# Altium PCB fastic-readout.PcbDoc (part 1 of 6) (continued)
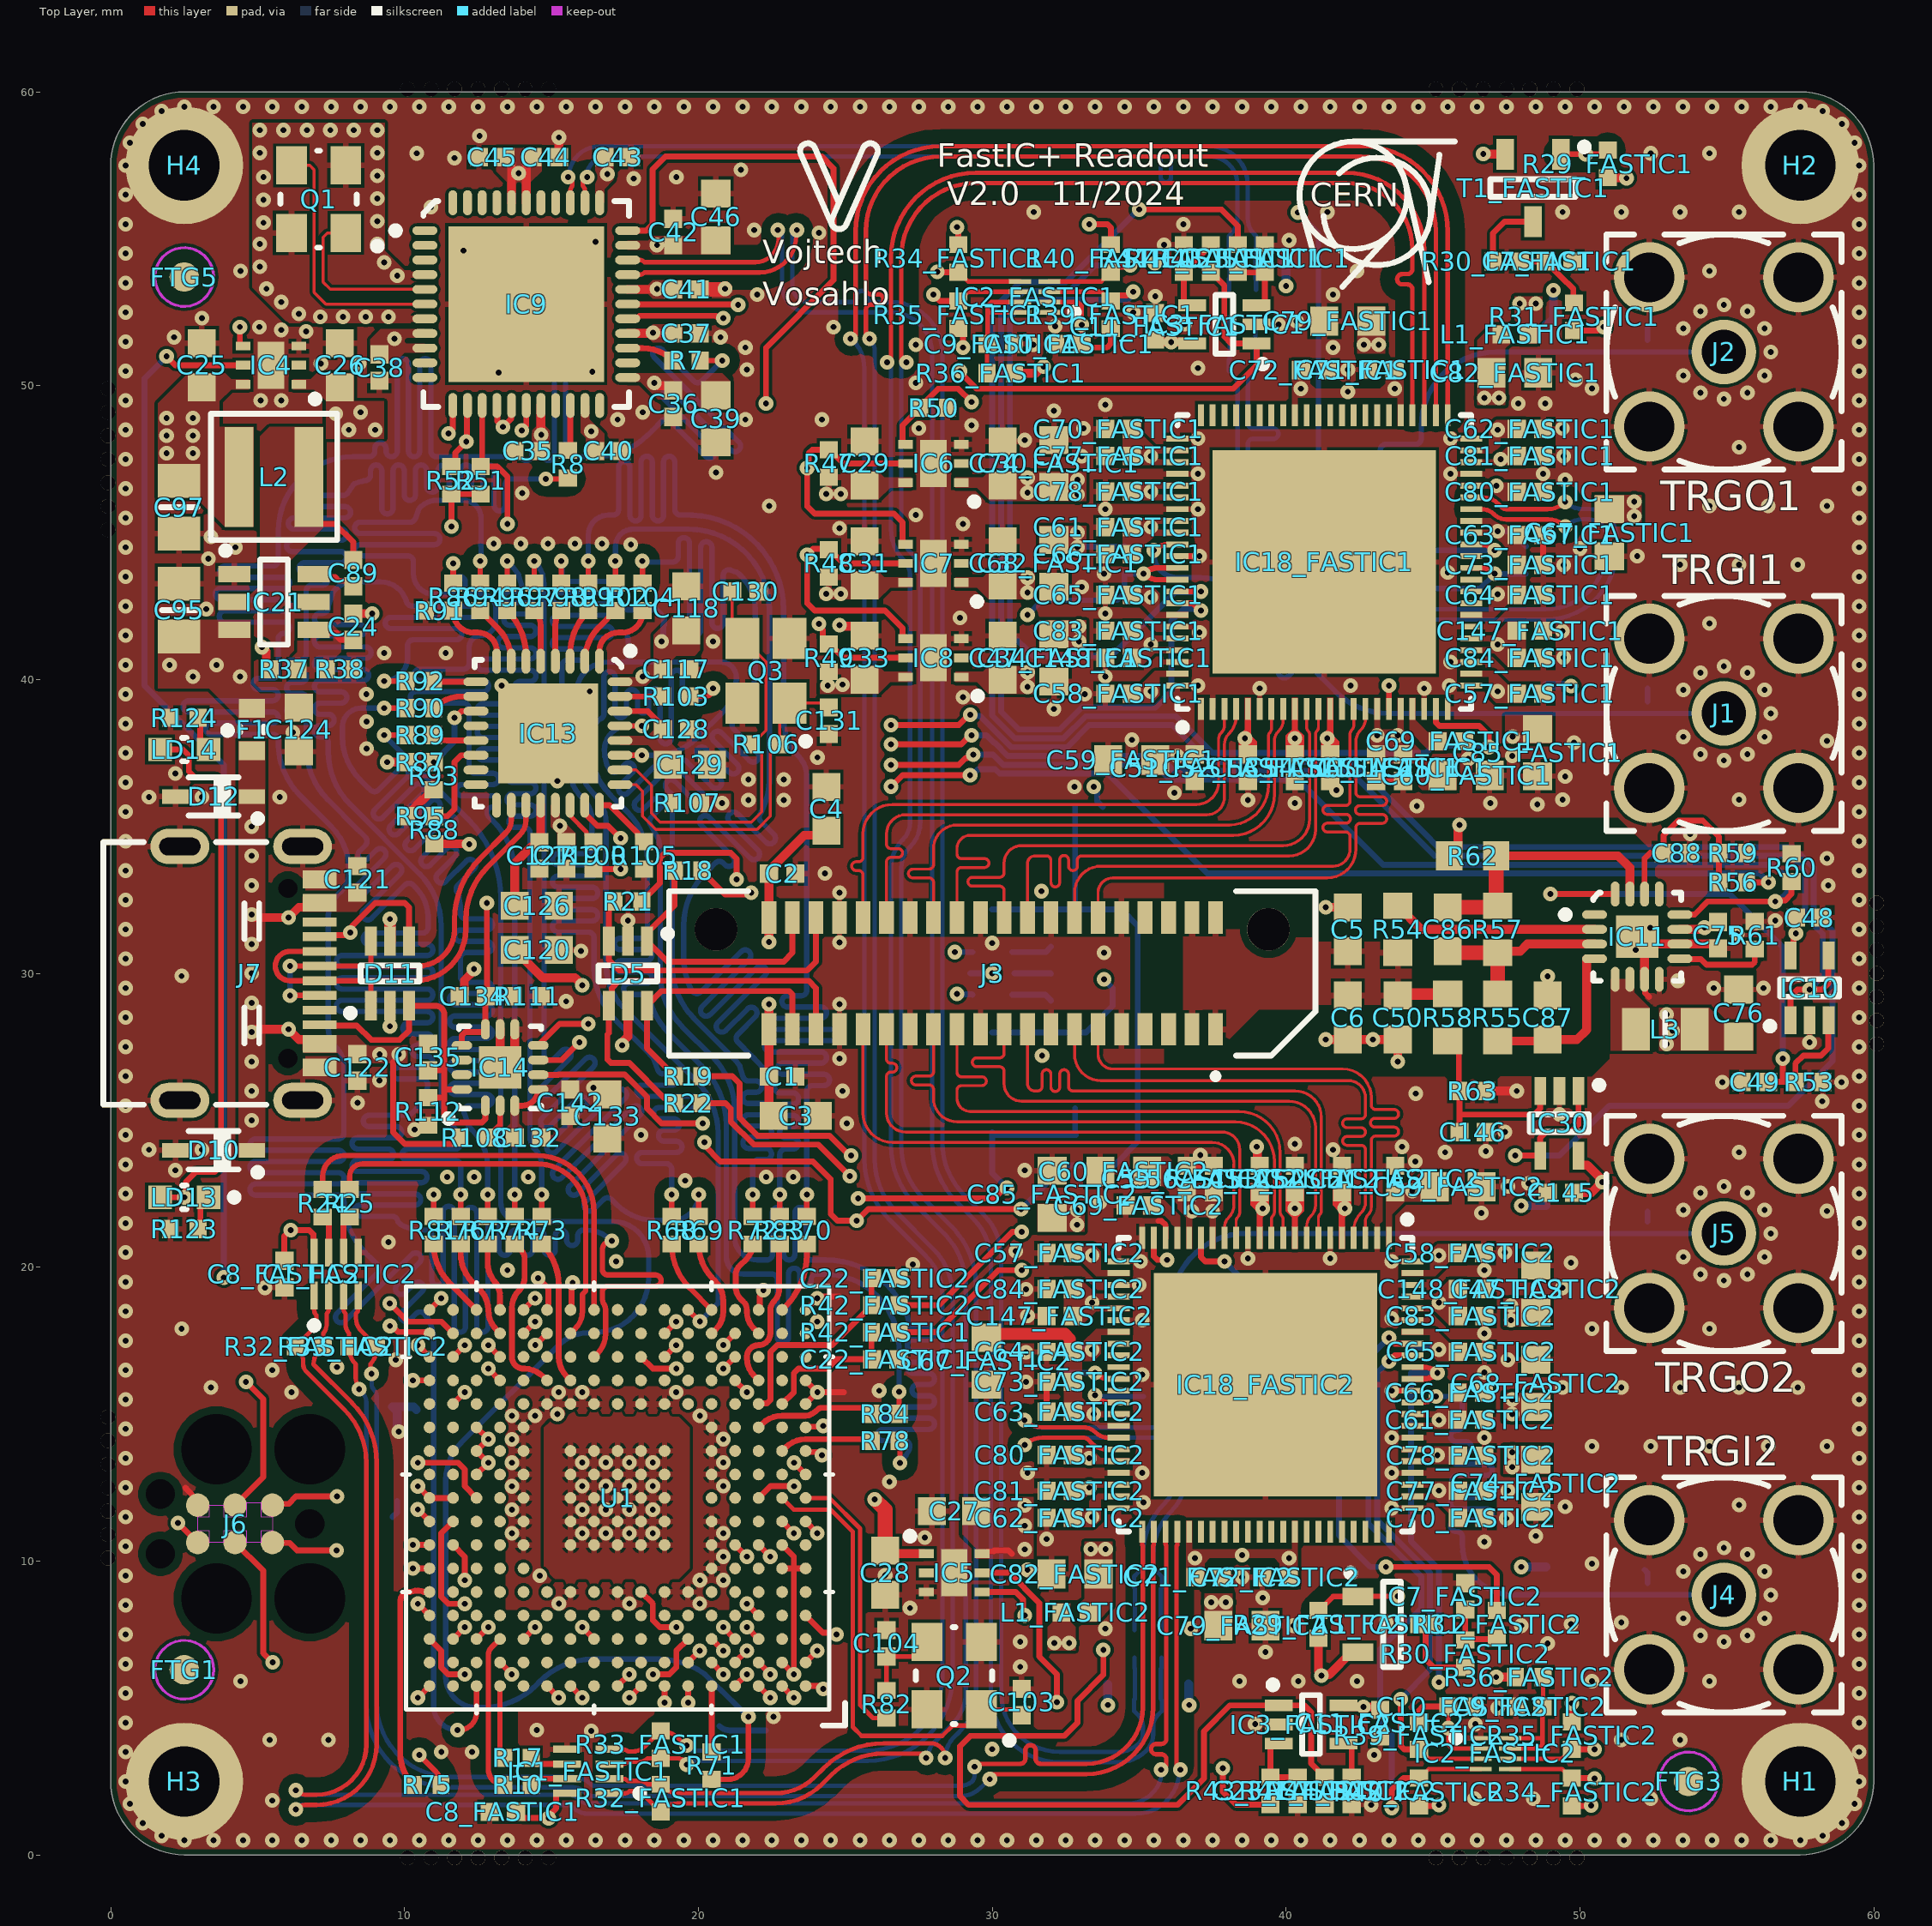
[diagram p0: Top Layer view]
## Classes and differential pairs (continued)
differential pair TDC_FASTIC1: +TDC_FASTIC1_P -TDC_FASTIC1_N
differential pair TIME_FASTIC2: +TIME_FASTIC2_P -TIME_FASTIC2_N
differential pair TIME_FASTIC1: +TIME_FASTIC1_P -TIME_FASTIC1_N
differential pair SLVS3: +SLVS3_P -SLVS3_N
differential pair SLVS2: +SLVS2_P -SLVS2_N
differential pair LVDS3: +LVDS3_P -LVDS3_N
differential pair LVDS2: +LVDS2_P -LVDS2_N
differential pair USB_D: +USB_D_P -USB_D_N

## Components (designator, comment, footprint, x,y, rotation, side; value= is the part's Value field where it differs from the comment)
C1 "100nF" CAPC1005X55N 22.85,26.49 r180 top
C2 "100nF" CAPC1005X55N 22.85,33.4 r180 top
C3 "2.2uF" CAPC1608X90N 23.315,25.15 r0 top
C4 "2.2uF" CAPC1608X90N 24.35,35.6 r90 top
C5 "100nF" CAPC1608X90N 42.1,31.5 r270 top
C6 "100nF" CAPC1608X90N 42.1,28.5 r90 top
C7_FASTIC1 "470pF" CAPC1005X55N 49.29,54.23 r180 top (schematic designator C7)
C7_FASTIC2 "470pF" CAPC1005X55N 46.1,8.796 r270 top (schematic designator C7)
C8_FASTIC1 "100nF" CAPC1005X55N 13.343,1.463 r180 top (schematic designator C8)
C8_FASTIC2 "100nF" CAPC1005X55N 5.909,19.768 r270 top (schematic designator C8)
C9_FASTIC1 "100nF" CAPC1005X55N 30.294,51.424 r0 top (schematic designator C9)
C9_FASTIC2 "100nF" CAPC1005X55N 48.275,5.05 r180 top (schematic designator C9)
C10_FASTIC1 "100nF" CAPC1005X55N 32.594,51.424 r180 top (schematic designator C10)
C10_FASTIC2 "100nF" CAPC1005X55N 45.975,5.05 r0 top (schematic designator C10)
C11_FASTIC1 "100nF" CAPC1005X55N 35.539,52.024 r270 top (schematic designator C11)
C11_FASTIC2 "100nF" CAPC1005X55N 43.2,4.488 r90 top (schematic designator C11)
C12 "100nF" CAPC1005X55N 18.628,9.248 r90 bottom
C13 "100nF" CAPC1005X55N 16.788,15.048 r270 bottom
C14 "100nF" CAPC1005X55N 19.902,13.988 r180 bottom
C15 "100nF" CAPC1005X55N 15.868,15.048 r270 bottom
C16 "100nF" CAPC1005X55N 17.708,15.048 r270 bottom
C17 "100nF" CAPC1005X55N 14.598,12.148 r0 bottom
C18 "4.7uF" CAPC1608X87N 16.848,16.848 r0 bottom
C19 "4.7uF" CAPC1608X87N 17.548,7.448 r180 bottom
C20 "4.7uF" CAPC1608X87N 12.448,11.748 r90 bottom
C21 "4.7uF" CAPC1608X87N 21.948,12.548 r270 bottom
C22_FASTIC1 "10nF" CAPC1005X55N 26.357,16.866 r180 top (schematic designator C22)
C22_FASTIC2 "10nF" CAPC1005X55N 26.357,19.626 r180 top (schematic designator C22)
C23_FASTIC1 "10nF" CAPC1005X55N 39.278,54.334 r270 top (schematic designator C23)
C23_FASTIC2 "10nF" CAPC1005X55N 40.39,2.178 r90 top (schematic designator C23)
C24 "100pF" CAPC1005X55N 8.25,41.8 r90 top
C25 "2.2uF" CAPC1608X90N 3.1,50.7 r270 top
C26 "2.2uF" CAPC1608X90N 7.8,50.7 r270 top
C27 "2.2uF" CAPC1608X90N 28.7,11.7 r0 top
C28 "2.2uF" CAPC1608X90N 26.355,9.6 r90 top
C29 "2.2uF" CAPC1608X90N 25.65,47.355 r270 top
C30 "2.2uF" CAPC1608X90N 30.35,47.355 r270 top
C31 "2.2uF" CAPC1608X90N 25.65,43.955 r270 top
C32 "2.2uF" CAPC1608X90N 30.35,43.955 r270 top
C33 "2.2uF" CAPC1608X90N 25.65,40.74 r270 top
C34 "2.2uF" CAPC1608X90N 30.35,40.74 r270 top
C35 "100nF" CAPC1005X55N 14.19,47.78 r0 top
C36 "100nF" CAPC1005X55N 19.14,49.39 r90 top
C37 "100nF" CAPC1005X55N 19.59,51.78 r180 top
C38 "100nF" CAPC1005X55N 9.14,50.62 r90 top
C39 "4.7uF" CAPC1608X87N 20.59,48.875 r270 top
C40 "100nF" CAPC1005X55N 16.93,47.78 r180 top
C41 "100nF" CAPC1005X55N 19.59,53.28 r180 top
C42 "100nF" CAPC1005X55N 19.14,55.23 r270 top
C43 "100nF" CAPC1005X55N 17.25,57.78 r180 top
C44 "100nF" CAPC1005X55N 14.8,57.78 r180 top
C45 "100nF" CAPC1005X55N 12.98,57.78 r0 top
C46 "4.7uF" CAPC1608X87N 20.59,55.745 r90 top
C47_FASTIC1 "4.7uF" CAPC1608X87N 32.1,40.74 r270 top (schematic designator C47)
C47_FASTIC2 "4.7uF" CAPC1608X87N 48.5,19.26 r90 top (schematic designator C47)
C48 "100nF" CAPC1005X55N 57.8,31.9 r180 top
C49 "100nF" CAPC1005X55N 55.953,26.307 r0 top
C50 "100nF" CAPC1608X90N 43.8,28.5 r90 top
C51_FASTIC1 "100nF" CAPC1005X55N 36.89,37 r270 top (schematic designator C51)
C51_FASTIC2 "100nF" CAPC1005X55N 43.71,23 r90 top (schematic designator C51)
C52_FASTIC1 "100nF" CAPC1005X55N 38.7,37 r270 top (schematic designator C52)
C52_FASTIC2 "100nF" CAPC1005X55N 41.9,23 r90 top (schematic designator C52)
C53_FASTIC1 "100nF" CAPC1005X55N 40.3,37 r270 top (schematic designator C53)
C53_FASTIC2 "100nF" CAPC1005X55N 40.3,23 r90 top (schematic designator C53)
C54_FASTIC1 "100nF" CAPC1005X55N 41.5,37 r270 top (schematic designator C54)
C54_FASTIC2 "100nF" CAPC1005X55N 39.1,23 r90 top (schematic designator C54)
C55_FASTIC1 "100nF" CAPC1005X55N 43.98,37 r270 top (schematic designator C55)
C55_FASTIC2 "100nF" CAPC1005X55N 36.62,23 r90 top (schematic designator C55)
C56_FASTIC1 "100nF" CAPC1005X55N 43.06,37 r270 top (schematic designator C56)
C56_FASTIC2 "100nF" CAPC1005X55N 37.54,23 r90 top (schematic designator C56)
C57_FASTIC1 "100nF" CAPC1005X55N 48.3,39.52 r0 top (schematic designator C57)
C57_FASTIC2 "100nF" CAPC1005X55N 32.3,20.48 r180 top (schematic designator C57)
C58_FASTIC1 "100nF" CAPC1005X55N 34.3,39.52 r180 top (schematic designator C58)
C58_FASTIC2 "100nF" CAPC1005X55N 46.28,20.48 r0 top (schematic designator C58)
C59_FASTIC1 "4.7uF" CAPC1608X87N 34.745,37.26 r180 top (schematic designator C59)
C59_FASTIC2 "4.7uF" CAPC1608X87N 45.855,22.74 r0 top (schematic designator C59)
C60_FASTIC1 "4.7uF" CAPC1608X87N 46.125,36.74 r0 top (schematic designator C60)
C60_FASTIC2 "4.7uF" CAPC1608X87N 34.475,23.26 r180 top (schematic designator C60)
C61_FASTIC1 "100nF" CAPC1005X55N 34.3,45.19 r180 top (schematic designator C61)
C61_FASTIC2 "100nF" CAPC1005X55N 46.28,14.81 r0 top (schematic designator C61)
C62_FASTIC1 "100nF" CAPC1005X55N 48.3,48.53 r0 top (schematic designator C62)
C62_FASTIC2 "100nF" CAPC1005X55N 32.3,11.47 r180 top (schematic designator C62)
C63_FASTIC1 "100nF" CAPC1005X55N 48.3,44.92 r0 top (schematic designator C63)
C63_FASTIC2 "100nF" CAPC1005X55N 32.3,15.08 r180 top (schematic designator C63)
C64_FASTIC1 "100nF" CAPC1005X55N 48.3,42.88 r0 top (schematic designator C64)
C64_FASTIC2 "100nF" CAPC1005X55N 32.3,17.12 r180 top (schematic designator C64)
C65_FASTIC1 "100nF" CAPC1005X55N 34.3,42.88 r180 top (schematic designator C65)
C65_FASTIC2 "100nF" CAPC1005X55N 46.3,17.12 r0 top (schematic designator C65)
C66_FASTIC1 "100nF" CAPC1005X55N 34.3,44.27 r180 top (schematic designator C66)
C66_FASTIC2 "100nF" CAPC1005X55N 46.28,15.73 r0 top (schematic designator C66)
C67_FASTIC1 "4.7uF" CAPC1608X87N 51,45 r270 top (schematic designator C67)
C67_FASTIC2 "4.7uF" CAPC1608X87N 29.8,16.8 r270 top (schematic designator C67)
C68_FASTIC1 "4.7uF" CAPC1608X87N 32.1,43.955 r270 top (schematic designator C68)
C68_FASTIC2 "4.7uF" CAPC1608X87N 48.5,16.045 r90 top (schematic designator C68)
C69_FASTIC1 "10nF" CAPC1005X55N 45.61,37.9 r0 top (schematic designator C69)
C69_FASTIC2 "10nF" CAPC1005X55N 34.99,22.1 r180 top (schematic designator C69)
C70_FASTIC1 "100nF" CAPC1005X55N 34.3,48.53 r180 top (schematic designator C70)
C70_FASTIC2 "100nF" CAPC1005X55N 46.3,11.47 r0 top (schematic designator C70)
C71_FASTIC1 "100nF" CAPC1005X55N 43.24,50.55 r180 top (schematic designator C71)
C71_FASTIC2 "100nF" CAPC1005X55N 37.36,9.45 r0 top (schematic designator C71)
C72_FASTIC1 "100nF" CAPC1005X55N 40.96,50.53 r0 top (schematic designator C72)
C72_FASTIC2 "100nF" CAPC1005X55N 39.64,9.45 r180 top (schematic designator C72)
C73_FASTIC1 "100nF" CAPC1005X55N 48.3,43.9 r0 top (schematic designator C73)
C73_FASTIC2 "100nF" CAPC1005X55N 32.3,16.1 r180 top (schematic designator C73)
C74_FASTIC1 "4.7uF" CAPC1608X87N 32.1,47.355 r90 top (schematic designator C74)
C74_FASTIC2 "4.7uF" CAPC1608X87N 48.5,12.645 r270 top (schematic designator C74)
C75 "100nF" CAPC1005X55N 54.7,31.3 r90 top
C76 "4.7uF" CAPC1608X87N 55.4,28.65 r90 top
C77_FASTIC1 "100nF" CAPC1005X55N 34.3,47.61 r180 top (schematic designator C77)
C77_FASTIC2 "100nF" CAPC1005X55N 46.3,12.39 r0 top (schematic designator C77)
C78_FASTIC1 "100nF" CAPC1005X55N 34.3,46.4 r180 top (schematic designator C78)
C78_FASTIC2 "100nF" CAPC1005X55N 46.3,13.59 r0 top (schematic designator C78)
C79_FASTIC1 "4.7uF" CAPC1608X87N 42.1,52.2 r180 top (schematic designator C79)
C79_FASTIC2 "4.7uF" CAPC1608X87N 38.5,7.8 r0 top (schematic designator C79)
C80_FASTIC1 "100nF" CAPC1005X55N 48.3,46.39 r0 top (schematic designator C80)
C80_FASTIC2 "100nF" CAPC1005X55N 32.3,13.61 r180 top (schematic designator C80)
C81_FASTIC1 "100nF" CAPC1005X55N 48.3,47.61 r0 top (schematic designator C81)
C81_FASTIC2 "100nF" CAPC1005X55N 32.3,12.39 r180 top (schematic designator C81)
C82_FASTIC1 "4.7uF" CAPC1608X87N 47.785,50.44 r0 top (schematic designator C82)
C82_FASTIC2 "4.7uF" CAPC1608X87N 32.815,9.56 r180 top (schematic designator C82)
C83_FASTIC1 "100nF" CAPC1005X55N 34.3,41.66 r180 top (schematic designator C83)
C83_FASTIC2 "100nF" CAPC1005X55N 46.3,18.34 r0 top (schematic designator C83)
C84_FASTIC1 "100nF" CAPC1005X55N 48.3,40.74 r0 top (schematic designator C84)
C84_FASTIC2 "100nF" CAPC1005X55N 32.3,19.26 r180 top (schematic designator C84)
C85_FASTIC1 "4.7uF" CAPC1608X87N 48.56,37.515 r270 top (schematic designator C85)
C85_FASTIC2 "4.7uF" CAPC1608X87N 32.04,22.485 r90 top (schematic designator C85)
C86 "10nF" CAPC1608X90N 45.5,31.5 r270 top
C87 "220nF" CAPC1608X90N 48.9,28.5 r270 top
C88 "100nF" CAPC1005X55N 53.3,34.1 r180 top
C89 "330nF" CAPC1005X55N 8.25,43.62 r90 top
C90 "100nF" CAPC1005X55N 13.138,6.954 r0 bottom
C92 "100nF" CAPC1005X55N 33.29,34.746 r0 bottom
C93 "100nF" CAPC1005X55N 33.29,24.497 r0 bottom
C94 "2.2uF" CAPC1608X90N 17.848,4.223 r0 bottom
C95 "10uF" CAPC2012X145N 2.325,42.365 r270 top
C96 "2.2uF" CAPC1608X90N 9.798,6.948 r90 bottom
C97 "22uF" CAPC2013X145N 2.325,45.865 r90 top
C99 "100nF" CAPC1005X55N 25.008,15.048 r90 bottom
C100 "2.2uF" CAPC1608X90N 25.172,17.458 r270 bottom
C101 "100nF" CAPC1005X55N 25.007,13.248 r270 bottom
C102 "2.2uF" CAPC1608X90N 25.172,10.838 r90 bottom
C103 "3.3pF" CAPC1005X55N 31,5.2 r270 top
C104 "3.3pF" CAPC1005X55N 26.4,7.2 r270 top
C105 "100nF" CAPC1005X55N 14.598,11.228 r0 bottom
C106 "100nF" CAPC1005X55N 14.598,10.308 r0 bottom
C107 "100nF" CAPC1005X55N 15.868,9.248 r90 bottom
C108 "100nF" CAPC1005X55N 19.902,13.068 r180 bottom
C109 "100nF" CAPC1005X55N 19.902,12.148 r180 bottom
C110 "100nF" CAPC1005X55N 16.788,9.248 r90 bottom
C111 "100nF" CAPC1005X55N 18.628,15.048 r270 bottom
C112 "100nF" CAPC1005X55N 17.708,9.248 r90 bottom
C113 "100nF" CAPC1005X55N 19.902,11.228 r180 bottom
C114 "100nF" CAPC1005X55N 19.902,10.308 r180 bottom
C115 "100nF" CAPC1005X55N 14.598,13.068 r0 bottom
C116 "100nF" CAPC1005X55N 14.598,13.988 r0 bottom
C117 "100nF" CAPC1005X55N 19.24,40.35 r180 top
C118 "2.2uF" CAPC1608X90N 19.58,42.425 r90 top
C119 "100nF" CAPC1005X55N 15.507,34.015 r90 top
C120 "2.2uF" CAPC1608X90N 14.5,30.8 r0 top
C121 "100nF" CAPC1005X55N 8.39,33.2 r270 top
C122 "100nF" CAPC1005X55N 8.39,26.8 r90 top
C124 "2.2uF" CAPC1608X90N 6.4,38.3 r90 top
C126 "2.2uF" CAPC1608X90N 14.5,32.3 r180 top
C127 "100nF" CAPC1005X55N 14.587,34.015 r90 top
C128 "100nF" CAPC1005X55N 19.24,38.31 r180 top
C129 "2.2uF" CAPC1608X90N 19.705,37.1 r180 top
C130 "3.3pF" CAPC1005X55N 21.6,43 r180 top
C131 "3.3pF" CAPC1005X55N 24.44,38.6 r90 top
C132 "100nF" CAPC1005X55N 14.2,24.415 r180 top
C133 "2.2uF" CAPC1608X90N 16.9,25.135 r270 top
C134 "220pF" CAPC1005X55N 12.322,29.224 r0 top
C135 "220pF" CAPC1005X55N 10.8,27.15 r270 top
C136 "2.2uF" CAPC1608X90N 16.658,20.072 r180 bottom
C137 "100nF" CAPC1005X55N 9.587,15.7 r270 bottom
C138 "100nF" CAPC1005X55N 9.588,11.048 r90 bottom
C139 "100nF" CAPC1005X55N 20.258,4.388 r0 bottom
C140 "100nF" CAPC1005X55N 14.248,19.907 r180 bottom
C141 "100nF" CAPC1005X55N 25.008,6.15 r270 bottom
C142 "100nF" CAPC1005X55N 15.635,25.6 r90 top
C145 "100nF" CAPC1005X55N 49.35,22.536 r0 top
C146 "100pF" CAPC1005X55N 46.35,24.6 r180 top
C147_FASTIC1 "10nF" CAPC1005X55N 48.3,41.66 r0 top (schematic designator C147)
C147_FASTIC2 "10nF" CAPC1005X55N 32.3,18.34 r180 top (schematic designator C147)
C148_FASTIC1 "10nF" CAPC1005X55N 34.3,40.74 r180 top (schematic designator C148)
C148_FASTIC2 "10nF" CAPC1005X55N 46.3,19.26 r0 top (schematic designator C148)
D1 "BAV99" SOT95P240X110-3N 50,38.85 r0 bottom
D2 "PESD1V2" SOD962-2 52.3,39.05 r270 bottom
D3 "BAV99" SOT95P240X110-3N 50,51.15 r0 bottom
D4 "PESD1V2" SOD962-2 52.3,51.35 r270 bottom
D5 "D3V3F4U6S" SOT65P220X110-6N 17.6,30 r270 top
D6 "BAV99" SOT95P240X110-3N 50,8.85 r0 bottom
D7 "PESD1V2" SOD962-2 52.3,9.05 r270 bottom
D8 "BAV99" SOT95P240X110-3N 50,21.15 r0 bottom
D9 "PESD1V2" SOD962-2 52.3,21.35 r270 bottom
D10 "PESD5V0S1UA" SOD2512X110N 3.5,23.98 r180 top
D11 "D3V3F4U6S" SOT65P220X110-6N 9.5,30 r90 top
D12 "PESD5V0S1UA" SOD2512X110N 3.5,36.02 r180 top
F1 "1.5A" FUSC_BOURNS_SF-0603F 4.8,38.3 r90 top
FTG1 "Use only in PCB" FIDUCIAL_TOP_C100-200 2.5,6.3 r90 top
FTG2 "Use only in PCB" FIDUCIAL_TOP_C100-200 2.5,6.3 r90 bottom
FTG3 "Use only in PCB" FIDUCIAL_TOP_C100-200 53.7,2.5 r90 top
FTG4 "Use only in PCB" FIDUCIAL_TOP_C100-200 53.7,2.5 r90 bottom
FTG5 "Use only in PCB" FIDUCIAL_TOP_C100-200 2.5,53.7 r90 top
FTG6 "Use only in PCB" FIDUCIAL_TOP_C100-200 2.5,53.7 r90 bottom
H1 "Plated Hole" MTG240_400 57.5,2.5 r0 top
H2 "Plated Hole" MTG240_400 57.5,57.5 r0 top
H3 "Plated Hole" MTG240_400 2.5,2.5 r0 top
H4 "Plated Hole" MTG240_400 2.5,57.5 r0 top
IC1_FASTIC1 "DS90LVRA2-Q1" DS90LVRA2-Q1 16.253,2.843 r180 top (schematic designator IC1)
IC1_FASTIC2 "DS90LVRA2-Q1" DS90LVRA2-Q1 7.669,19.768 r90 top (schematic designator IC1)
IC2_FASTIC1 "PCA9306DQER" SON35P100X140X40-8N 31.444,53.024 r180 top (schematic designator IC2)
IC2_FASTIC2 "PCA9306DQER" SON35P100X140X40-8N 47.125,3.45 r0 top (schematic designator IC2)
IC3_FASTIC1 "AD8541AKSZ-R2" SOT65P210X110-5N 37.898,52.087 r180 top (schematic designator IC3)
IC3_FASTIC2 "AD8541AKSZ-R2" SOT65P210X110-5N 40.85,4.438 r0 top (schematic designator IC3)
IC4 "TPS74618PQWDRVRQ1" TPS746 5.45,50.7 r180 top
IC5 "TPS74633PQWDRVRQ1" TPS746 28.705,9.6 r0 top
IC6 "TPS74612PQWDRVRQ1" TPS746 28,47.355 r180 top
IC7 "TPS74612PQWDRVRQ1" TPS746 28,43.955 r180 top
IC8 "TPS74612PQWDRVRQ1" TPS746 28,40.74 r180 top
IC9 "SI5340B-D-GM" QFN50P700X700X90-45N-S530 14.14,52.78 r0 top
IC10 "AD8541AKSZ-R2" SOT65P210X110-5N 57.817,29.508 r90 top
IC11 "LT3571" QFN50P300X300X80-17N-S145 51.95,31.25 r0 top
IC13 "USB3320C-EZK-TR" QFN50P500X500X100-33N-S340 14.88,38.175 r270 top
IC14 "FUSB302BMPX" QFN50P250X250X80-15N-S145 13.25,26.8 r90 top
IC18_FASTIC1 "FastIC+" QFN40P1000X1000X85-89N-S760 41.3,44 r90 top (schematic designator IC18)
IC18_FASTIC2 "FastIC+" QFN40P1000X1000X85-89N-S760 39.3,16 r270 top (schematic designator IC18)
IC21 "AP62201WU-7" SOT95P280X100-6N 5.555,42.64 r0 top
IC30 "AD8541AKSZ-R2" SOT65P210X110-5N 49.3,24.9 r270 top
J1 "SMA" AMPHENOL_132203 54.9,38.85 r0 top locked
J2 "SMA" AMPHENOL_132203 54.9,51.15 r0 top locked
J3 "ERM8-020-X-X-DV" SAMTEC_ERM8-020-X-X-DV 30,30 r180 top locked
J4 "SMA" AMPHENOL_132203 54.9,8.85 r0 top locked
J5 "SMA" AMPHENOL_132203 54.9,21.15 r0 top locked
J6 "TC2030-MCP" TC2030-MCP 4.23,11.265 r180 top
J7 "USB 2.0" GCT_USB4105-GF-A 4.44,30 r270 top locked
L1_FASTIC1 "220R@100MHz" INDC1005X55N 47.785,51.75 r0 top (schematic designator L1)
L1_FASTIC2 "220R@100MHz" INDC1005X55N 32.815,8.25 r180 top (schematic designator L1)
L2 "3.3uH" IND_COILCRAFT_XAL4030 5.555,46.9 r180 top
L3 "15uH" INDC2013X145N 52.9,28.1 r0 top
LD13 "Green" LED_KINGBRIGHT_KPH-1608CGCK 2.5,22.38 r180 top
LD14 "Green" LED_KINGBRIGHT_KPH-1608CGCK 2.5,37.62 r180 top
LD15 "Red/Green/Blue" LED_EVERLIGHT_EAST1616RGBA8 30,30 r180 bottom
PB1 "Push Button" PB_OMRON_B3U-1100P 29.989,33.876 r270 bottom
PB2 "Push Button" PB_OMRON_B3U-1100P 30,26.287 r270 bottom
Q1 "48MHz" XTAL_KYOCERA_CX3225SB 7.073,56.35 r180 top
Q2 "48MHz" XTAL_KYOCERA_CX3225SB 28.7,6.1 r180 top
Q3 "24MHz" XTAL_EPSON_TSX-3225 22.3,40.3 r180 top
R1 "220" RESC1005X40N#1 34.39,5.816 r180 bottom
R2 "220" RESC1005X40N#1 36.21,5.816 r0 bottom
R3 "50" RESC1005X40N#1 35.76,7.186 r90 bottom
R4 "50" RESC1005X40N#1 34.84,7.186 r90 bottom
R5 "20" RESC1005X40N#1 34.39,8.556 r0 bottom
R6 "20" RESC1005X40N#1 36.21,8.556 r180 bottom
R7 "22" RESC1005X40N#1 19.59,50.86 r0 top
R8 "22" RESC1005X40N#1 15.56,47.33 r270 top
R9 "50" RESC1005X40N#1 36.3,43.94 r270 bottom
R10 "22" RESC1005X40N#1 13.843,2.383 r180 top
R11 "220" RESC1005X40N#1 37.609,54.17 r180 bottom
R12 "220" RESC1005X40N#1 39.429,54.17 r0 bottom
R13 "50" RESC1005X40N#1 38.979,52.8 r270 bottom
R14 "50" RESC1005X40N#1 38.059,52.8 r270 bottom
R15 "20" RESC1005X40N#1 37.609,51.43 r0 bottom
R16 "20" RESC1005X40N#1 39.429,51.43 r180 bottom
R17 "22" RESC1005X40N#1 13.843,3.303 r180 top
R18 "220" RESC1005X40N#1 19.65,33.5 r180 top
R19 "220" RESC1005X40N#1 19.65,26.5 r0 top
R20 "22" RESC1005X40N#1 44.6,44.87 r90 bottom
R21 "220" RESC1005X40N#1 17.6,32.45 r180 top
R22 "220" RESC1005X40N#1 19.65,25.58 r0 top
R23 "50" RESC1005X40N#1 46,16.07 r270 bottom
R24 "22" RESC1005X40N#1 7.209,22.178 r90 top
R25 "22" RESC1005X40N#1 8.129,22.178 r90 top
R26 "22" RESC1005X40N#1 35.62,15.6 r0 bottom
R27_FASTIC1 "10k" RESC1005X40N#1 48.16,44.07 r90 bottom (schematic designator R27)
R27_FASTIC2 "10k" RESC1005X40N#1 32.3,16.87 r90 bottom (schematic designator R27)
R28_FASTIC1 "10k" RESC1005X40N#1 34.5,44.07 r90 bottom (schematic designator R28)
R28_FASTIC2 "10k" RESC1005X40N#1 44.25,16.87 r90 bottom (schematic designator R28)
R29_FASTIC1 "10k" RESC1005X40N#1 50.95,57.55 r270 top (schematic designator R29)
R29_FASTIC2 "10k" RESC1005X40N#1 41.1,7.846 r270 top (schematic designator R29)
R30_FASTIC1 "22" RESC1005X40N#1 47.51,54.23 r0 top (schematic designator R30)
R30_FASTIC2 "22" RESC1005X40N#1 46.1,6.846 r90 top (schematic designator R30)
R31_FASTIC1 "220" RESC1005X40N#1 49.8,52.35 r270 top (schematic designator R31)
R31_FASTIC2 "220" RESC1005X40N#1 47.175,7.846 r90 top (schematic designator R31)
R32_FASTIC1 "100" RESC1005X40N#1 18.713,1.933 r270 top (schematic designator R32)
R32_FASTIC2 "100" RESC1005X40N#1 6.759,17.308 r180 top (schematic designator R32)
R33_FASTIC1 "100" RESC1005X40N#1 18.713,3.753 r90 top (schematic designator R33)
R33_FASTIC2 "100" RESC1005X40N#1 8.579,17.308 r0 top (schematic designator R33)
R34_FASTIC1 "4k7" RESC1005X40N#1 28.844,54.334 r90 top (schematic designator R34)
R34_FASTIC2 "4k7" RESC1005X40N#1 49.725,2.14 r270 top (schematic designator R34)
R35_FASTIC1 "4k7" RESC1005X40N#1 28.844,52.416 r270 top (schematic designator R35)
R35_FASTIC2 "4k7" RESC1005X40N#1 49.725,4.06 r90 top (schematic designator R35)
R36_FASTIC1 "200k" RESC1005X40N#1 30.294,50.424 r0 top (schematic designator R36)
R36_FASTIC2 "200k" RESC1005X40N#1 48.275,6.05 r180 top (schematic designator R36)
R37 "31k6" RESC1005X35N 5.9,40.35 r180 top
R38 "10k" RESC1005X35N 7.8,40.35 r180 top
R39_FASTIC1 "4k7" RESC1005X40N#1 34.034,52.414 r270 top (schematic designator R39)
R39_FASTIC2 "4k7" RESC1005X40N#1 44.525,4.06 r90 top (schematic designator R39)
R40_FASTIC1 "4k7" RESC1005X40N#1 34.034,54.334 r90 top (schematic designator R40)
R40_FASTIC2 "4k7" RESC1005X40N#1 44.525,2.14 r270 top (schematic designator R40)
R41_FASTIC1 "10k" RESC1005X35N 37.438,54.334 r90 top (schematic designator R41)
R41_FASTIC2 "10k" RESC1005X35N 41.31,2.178 r270 top (schematic designator R41)
R42_FASTIC1 "4k7" RESC1005X40N#1 26.357,17.786 r180 top (schematic designator R42)
R42_FASTIC2 "4k7" RESC1005X40N#1 26.357,18.706 r180 top (schematic designator R42)
R43_FASTIC1 "4k7" RESC1005X40N#1 38.358,54.334 r270 top (schematic designator R43)
R43_FASTIC2 "4k7" RESC1005X40N#1 39.47,2.178 r90 top (schematic designator R43)
R44_FASTIC1 "20k" RESC1005X40N#1 36.518,54.334 r270 top (schematic designator R44)
R44_FASTIC2 "20k" RESC1005X40N#1 42.23,2.178 r90 top (schematic designator R44)
R47 "10k" RESC1005X40N#1 24.44,47.355 r270 top
R48 "10k" RESC1005X40N#1 24.44,43.955 r270 top
R49 "10k" RESC1005X40N#1 24.44,40.74 r270 top
R50 "10k" RESC1005X40N#1 28,49.25 r180 top
R51 "4k7" RESC1005X40N#1 12.59,46.78 r270 top
R52 "4k7" RESC1005X40N#1 11.59,46.78 r270 top
R53 "1k" RESC1005X40N#1 57.803,26.307 r180 top
R54 "100" RESC1608X55N 43.8,31.5 r270 top
R55 "20" RESC1608X55N 47.2,28.5 r270 top
R56 "12k" RESC1005X40N#1 55.2,33.1 r180 top
R57 "1M" RESC1608X55N 47.2,31.5 r270 top
R58 "1M" RESC1608X55N 45.5,28.5 r90 top
R59 "15k" RESC1005X40N#1 55.2,34.1 r180 top
R60 "10k" RESC1005X40N#1 57.2,33.6 r270 top
R61 "12k" RESC1005X40N#1 55.95,31.3 r270 top
R62 "12k" RESC1608X55N 46.35,34 r0 top
R63 "20k" RESC1005X40N#1 46.35,26 r180 top
R68 "22" RESC1005X40N#1 19.088,21.258 r270 top
R69 "22" RESC1005X40N#1 20.008,21.258 r270 top
R70 "22" RESC1005X40N#1 23.688,21.258 r90 top
R71 "22" RESC1005X40N#1 20.448,3.038 r90 top
R72 "22" RESC1005X40N#1 21.848,21.258 r90 top
R73 "22" RESC1005X40N#1 14.668,21.258 r270 top
R74 "22" RESC1005X40N#1 13.748,21.258 r270 top
R75 "22" RESC1005X40N#1 10.766,2.383 r0 top
R76 "22" RESC1005X40N#1 11.908,21.258 r270 top
R77 "22" RESC1005X40N#1 12.828,21.258 r270 top
R78 "22" RESC1005X40N#1 26.357,14.088 r0 top
R79 "10k" RESC1005X40N#1 33.29,35.666 r0 bottom
R80 "10k" RESC1005X40N#1 33.29,25.41 r180 bottom
R81 "22" RESC1005X40N#1 10.988,21.258 r90 top
R82 "220" RESC1005X40N#1 26.4,5.13 r270 top
R83 "22" RESC1005X40N#1 22.768,21.258 r90 top
R84 "22" RESC1005X40N#1 26.357,15.008 r0 top
R85 "10k" RESC1005X40N#1 17.577,41.906 r90 bottom
R86 "0" RESC1005X40N#2 11.654,42.816 r90 top
R87 "0" RESC1005X40N#2 10.52,37.19 r180 top
R88 "0" RESC1005X40N#2 11.01,34.88 r270 top
R89 "22" RESC1005X40N#1 10.52,38.11 r180 top
R90 "22" RESC1005X40N#1 10.52,39.03 r180 top
R91 "0" RESC1005X40N#2 11.184,42.346 r180 top
R92 "22" RESC1005X40N#1 10.52,39.95 r180 top
R93 "0" RESC1005X40N#2 10.99,36.72 r270 top
R94 "22" RESC1005X40N#1 12.574,42.816 r90 top
R95 "0" RESC1005X40N#2 10.54,35.35 r180 top
R96 "22" RESC1005X40N#1 13.494,42.816 r90 top
R97 "22" RESC1005X40N#1 14.414,42.816 r90 top
R98 "22" RESC1005X40N#1 15.334,42.816 r90 top
R99 "22" RESC1005X40N#1 16.254,42.816 r90 top
R100 "10k" RESC1005X40N#1 16.427,34.015 r90 top
R101 "100" RESC1005X40N#1 38.519,50.51 r180 bottom
R102 "22" RESC1005X40N#1 17.174,42.816 r90 top
R103 "22" RESC1005X40N#1 19.24,39.43 r0 top
R104 "22" RESC1005X40N#1 18.094,42.816 r90 top
R105 "8k06" RESC1005X40N#1 18.147,34.015 r270 top
R106 "1M" RESC1005X40N#1 22.3,37.8 r0 top
R107 "0" RESC1005X40N#1 19.61,35.8 r0 top
R108 "10k" RESC1005X40N#1 12.38,24.415 r180 top
R111 "5k1" RESC1005X40N#1 14.172,29.224 r180 top
R112 "5k1" RESC1005X40N#1 10.8,25.3 r90 top
R123 "220" RESC1005X40N#1 2.5,21.3 r0 top
R124 "220" RESC1005X40N#1 2.5,38.7 r0 top
R125 "100" RESC1005X40N#1 32.47,30.907 r180 bottom
R126 "220" RESC1005X40N#1 32.47,29.987 r180 bottom
R127 "100" RESC1005X40N#1 32.47,29.067 r180 bottom
R128 "100" RESC1005X40N#1 35.3,9.476 r180 bottom
R129 "100" RESC1005X40N#1 35.3,4.896 r180 bottom
R130 "100" RESC1005X40N#1 38.519,55.09 r180 bottom
T1_FASTIC1 "IRLML6402PBF" SOT95P237X112-3N 48.4,56.73 r270 top (schematic designator T1)
T1_FASTIC2 "IRLML6402PBF" SOT95P237X112-3N 43.6,7.846 r0 top (schematic designator T1)
U1 "STM32H753XIH6" TFBGA240+25_STM 17.248,12.148 r180 top

## Footprints (in the part's own frame and the unit in brackets; to place one, negate y for a bottom-side part, rotate by r counter-clockwise, add the part's x,y. Pads: shape width x height; smd on the part's side, far side on the other; paste and mask are expansions set on the pad)
AMPHENOL_132203 [mm] "50 Ohm Through Hole SMA Right Angle PCB Jack"
  round 2.2 hole 1.5: 1(0,0)
  round 2.4 hole 1.7: 2(-2.54,-2.54) 2(-2.54,2.54) 2(2.54,-2.54) 2(2.54,2.54)
  silkscreen extent -4,-4 4,4, body extent -4,-5.1 16.5,5.1, height 11.45
CAPC1005X55N [mm] "Capacitor, Non-Polarized, Chip; 1.00mm L X 0.50mm W X 0.70mm H, IPC Medium Density"
  rect 0.62x0.62 smd: 1(-0.45,0) 2(0.45,0)
  body extent -0.52,-0.27 0.53,0.28, height 0.55
CAPC1608X87N [mm] "Chip Capacitor, Body 1.6x0.8mm IPC Medium Density"
  rect 0.95x1 smd: 1(-0.8,0) 2(0.8,0)
  body extent -0.87,-0.47 0.88,0.48, height 0.87
CAPC1608X90N [mm] "Chip Capacitor, Body 1.6x0.8mm IPC Medium Density"
  rect 0.95x0.95 smd: 1(-0.75,0) 2(0.75,0)
  body extent -0.85,-0.45 0.85,0.45, height 0.9
CAPC2012X145N [mm] "Chip Capacitor, Body 2.0x1.45mm, IPC Medium Density"
  rect 1.15x1.45 smd: 1(-0.9,0) 2(0.9,0)
  silkscreen extent 0,-0.58 0,0.58, body extent -1.05,-0.67 1.05,0.68, height 1.45
CAPC2013X145N [mm] "Capacitor, Non-Polarized, Chip; 2.00mm L X 1.25mm W X 1.45mm H, IPC Medium Density"
  rect 1.15x1.45 smd: 1(-0.9,0) 2(0.9,0)
  silkscreen extent 0,-0.63 0,0.63, body extent -1.1,-0.72 1.1,0.73, height 1.45
DS90LVRA2-Q1 [mm]
  rect 0.95x0.25 smd: 1(-0.725,0.75) 2(-0.725,0.25) 3(-0.725,-0.25) 4(-0.725,-0.75) 5(0.725,-0.75) 6(0.725,-0.25) 7(0.725,0.25) 8(0.725,0.75)
  silkscreen extent -1.88,0.63 -1.63,0.87, body extent -1,-1 1,1, height 0.8
FIDUCIAL_TOP_C100-200 [mm] "Round Fiducial Target, Top Layer, 1.0mm, Top Solder 2.0mm, Keepout =2.0mm"
  round 1 smd paste-0.51 mask+0.5: 1(0,0)
  Top Layer keep-out circle w0.1: c0,0 r1
FUSC_BOURNS_SF-0603F [mm] "0603 (1608mm), Body 1.6 x 0.8mm, Fast Acting Thin Film Chip Fuse, SinglFuse SF-0603F Series"
  rect 0.65x0.9 smd: 1(-0.725,0) 2(0.725,0)
  silkscreen extent -0.1,-0.4 0.1,0.4, body extent -0.8,-0.4 0.8,0.4, height 0.55
GCT_USB4105-GF-A [mm] "USB-C (USB TYPE-C) USB 2.0 Receptacle Connector 24 (16+8 Dummy) Position Surface Mount, Right Angle; Through Hole"
  rect 0.3x1.15 smd: A1(-3.35,2.665) A4(-2.55,2.665) A5(-1.25,2.665) A6(-0.25,2.665) A7(0.25,2.665) A8(1.25,2.665) A9(2.55,2.665) A12(3.35,2.665) B1(3.05,2.665) B4(2.25,2.665) B5(1.75,2.665) B6(0.75,2.665) B7(-0.75,2.665) B8(-1.75,2.665) B9(-2.25,2.665) B12(-3.05,2.665)
  round 0.15 hole 0.65 unplated mask+0.25: MEC1(-2.89,1.59) MEC2(2.89,1.59)
  oval 1.2x2 hole 0.6 slot 1.4 at 90 deg: SHIELD(-4.32,2.09) SHIELD(-4.32,-2.09) SHIELD(4.32,2.09) SHIELD(4.32,-2.09)
  silkscreen extent -4.47,-4.69 4.47,0.85, body extent -4.47,-4.69 4.47,3.01, height 3.26
IND_COILCRAFT_XAL4030 [mm] "SMD Inductor, Width 4.3mm X Lenght 4.3mm X Height 3.1mm Body, XAL4030 Series"
  rect 0.98x3.4 smd: 1(-1.185,0) 2(1.185,0)
  silkscreen extent -2.15,-2.15 2.15,2.15, body extent -2.15,-2.15 2.15,2.15, height 3.1
INDC1005X55N [mm] "Chip Inductor, 2-Leads, EIA 0402, Metric 1005, Body 1x0.5mm, 0402IPC Medium Density"
  rect 0.6x0.62 smd: 1(-0.46,0) 2(0.46,0)
  body extent -0.52,-0.27 0.53,0.28, height 0.55
INDC2013X145N [mm] "Chip Inductor, EIA 0805, Metric 2012, Body 2.00mm L X 1.25mm W X 1.45mm H, IPC Medium Density"
  rect 0.95x1.45 smd: 1(-1,0) 2(1,0)
  silkscreen extent 0,-0.55 0,0.55, body extent -1,-0.62 1,0.63, height 1.45
LED_EVERLIGHT_EAST1616RGBA8 [mm] "Tricolor (RGB) Surface Mount LED, Body 1.6mm X 1.6mm X 0.35mm"
  rect 0.55x0.4 smd: 1(0.675,0.725) 2(-0.675,0.725) 5(0.675,-0.725) 6(-0.675,-0.725)
  rect 0.7x0.5 smd: 3(0.75,0) 4(-0.75,0)
  silkscreen extent -0.05,-0.8 1.57,1.37, body extent -0.8,-0.8 0.8,0.8, height 0.35
LED_KINGBRIGHT_KPH-1608CGCK [mm] "SMT Green LED, Case 0603, Body L 1.6 x W 0.8mm H 0.65mm"
  rect 0.8x0.8 smd: 1(-0.825,0) 2(0.825,0)
  silkscreen extent -1.83,-0.4 0.08,0.4, body extent -0.8,-0.4 0.8,0.4, height 0.65
MTG240_400 [mm] "Plated Through Hole: Hole Dia.=2.4mm Pad Dia.=4.0mm"
  round 4 hole 2.4: 1(0,0)
PB_OMRON_B3U-1100P [mm] "Body 1.2x3x2.5mm Ultra-Small Tactile Pushbutton Switch, (with Ground Terminal), OMRON B3U Series"
  rect 0.8x1.7 smd: 1(-1.7,0) 2(1.7,0)
  rect 0.8x1.1 smd: 3(0,-1.65)
  silkscreen extent -1.5,-1.25 1.5,1.25, body extent -2,-1.95 2,1.25, height 1.75
QFN40P1000X1000X85-89N-S760 [mm] "QFN, 0.40mm Pitch, Square; 88 Pin, 10.0mm L X 10.0mm W X 0.80mm H body (w/Thermal Tab 7.6 X 7.60mm), IPC Medium Density"
  rect 0.75x0.2 smd: 1(-5,4.2) 2(-5,3.8) 3(-5,3.4) 4(-5,3) 5(-5,2.6) 6(-5,2.2) 7(-5,1.8) 8(-5,1.4) 9(-5,1) 10(-5,0.6) 11(-5,0.2) 12(-5,-0.2) 13(-5,-0.6) 14(-5,-1) 15(-5,-1.4) 16(-5,-1.8) 17(-5,-2.2) 18(-5,-2.6) 19(-5,-3) 20(-5,-3.4) 21(-5,-3.8) 22(-5,-4.2) 45(5,-4.2) 46(5,-3.8) 47(5,-3.4) 48(5,-3) 49(5,-2.6) 50(5,-2.2) 51(5,-1.8) 52(5,-1.4) 53(5,-1) 54(5,-0.6) 55(5,-0.2) 56(5,0.2) 57(5,0.6) 58(5,1) 59(5,1.4) 60(5,1.8) 61(5,2.2) 62(5,2.6) 63(5,3) 64(5,3.4) 65(5,3.8) 66(5,4.2)
  rect 0.2x0.75 smd: 23(-4.2,-5) 24(-3.8,-5) 25(-3.4,-5) 26(-3,-5) 27(-2.6,-5) 28(-2.2,-5) 29(-1.8,-5) 30(-1.4,-5) 31(-1,-5) 32(-0.6,-5) 33(-0.2,-5) 34(0.2,-5) 35(0.6,-5) 36(1,-5) 37(1.4,-5) 38(1.8,-5) 39(2.2,-5) 40(2.6,-5) 41(3,-5) 42(3.4,-5) 43(3.8,-5) 44(4.2,-5) 67(4.2,5) 68(3.8,5) 69(3.4,5) 70(3,5) 71(2.6,5) 72(2.2,5) 73(1.8,5) 74(1.4,5) 75(1,5) 76(0.6,5) 77(0.2,5) 78(-0.2,5) 79(-0.6,5) 80(-1,5) 81(-1.4,5) 82(-1.8,5) 83(-2.2,5) 84(-2.6,5) 85(-3,5) 86(-3.4,5) 87(-3.8,5) 88(-4.2,5)
  rect 7.6x7.6 smd: 89(0,0)
  silkscreen extent -5.75,-5 5,5, body extent -5,-5 5,5, height 0.8
QFN50P250X250X80-15N-S145 [mm] "QFN, 0.50mm Pitch, Square; 4 pin X 3 pin, 2.50mm X 2.50mm X 0.80mm H body (w/thermal tab 1.45 X 1.45mm),  IPC Medium Density"
  oval 0.7x0.3 smd: 1(-1.3,0.5) 2(-1.3,0) 3(-1.3,-0.5) 8(1.3,-0.5) 9(1.3,0) 10(1.3,0.5)
  oval 0.3x0.7 smd: 4(-0.75,-1.3) 5(-0.25,-1.3) 6(0.25,-1.3) 7(0.75,-1.3) 11(0.75,1.3) 12(0.25,1.3) 13(-0.25,1.3) 14(-0.75,1.3)
  rect 1.45x1.45 smd: 15(0,0)
  silkscreen extent -1.86,-1.4 1.4,1.89, body extent -1.25,-1.25 1.25,1.25, height 0.8
QFN50P300X300X80-17N-S145 [mm] "QFN,0.50mm Pitch, Square; 4 pin X 4 Pin, 3mm X 3mm X 0.80mm H Body (w/Thermal Tab 1.45 X 1.45mm),  IPC Medium Density"
  oval 0.85x0.3 smd: 1(-1.45,0.75) 2(-1.45,0.25) 3(-1.45,-0.25) 4(-1.45,-0.75) 9(1.45,-0.75) 10(1.45,-0.25) 11(1.45,0.25) 12(1.45,0.75)
  oval 0.3x0.85 smd: 5(-0.75,-1.45) 6(-0.25,-1.45) 7(0.25,-1.45) 8(0.75,-1.45) 13(0.75,1.45) 14(0.25,1.45) 15(-0.25,1.45) 16(-0.75,1.45)
  rect 1.45x1.45 smd: 17(0,0)
  silkscreen extent -2.57,-1.5 1.5,1.5, body extent -1.58,-1.58 1.58,1.58, height 0.8
QFN50P500X500X100-33N-S340 [mm] "QFN, 0.50mm Pitch, Square; 32 Pin, 5.00mm L X 5.00mm W X 1.00mm H body (w/Thermal Tab 3.40 X 3.40mm), IPC Medium Density"
  oval 0.85x0.3 smd: 1(-2.45,1.75) 2(-2.45,1.25) 3(-2.45,0.75) 4(-2.45,0.25) 5(-2.45,-0.25) 6(-2.45,-0.75) 7(-2.45,-1.25) 8(-2.45,-1.75) 17(2.45,-1.75) 18(2.45,-1.25) 19(2.45,-0.75) 20(2.45,-0.25) 21(2.45,0.25) 22(2.45,0.75) 23(2.45,1.25) 24(2.45,1.75)
  oval 0.3x0.85 smd: 9(-1.75,-2.45) 10(-1.25,-2.45) 11(-0.75,-2.45) 12(-0.25,-2.45) 13(0.25,-2.45) 14(0.75,-2.45) 15(1.25,-2.45) 16(1.75,-2.45) 25(1.75,2.45) 26(1.25,2.45) 27(0.75,2.45) 28(0.25,2.45) 29(-0.25,2.45) 30(-0.75,2.45) 31(-1.25,2.45) 32(-1.75,2.45)
  rect 3.4x3.4 smd: 33(0,0)
  silkscreen extent -2.92,-2.5 2.5,2.93, body extent -2.5,-2.5 2.5,2.5, height 1
QFN50P700X700X90-45N-S530 [mm] "QFN,0.50mm Pitch, Square; 44 Pin, 7.00mm L X 7.00mm W X 0.90mm H Body (W/Thermal Tab 5.3mm X 5.3mm), IPC Medium Density"
  oval 0.85x0.3 smd: 1(-3.45,2.5) 2(-3.45,2) 3(-3.45,1.5) 4(-3.45,1) 5(-3.45,0.5) 6(-3.45,0) 7(-3.45,-0.5) 8(-3.45,-1) 9(-3.45,-1.5) 10(-3.45,-2) 11(-3.45,-2.5) 23(3.45,-2.5) 24(3.45,-2) 25(3.45,-1.5) 26(3.45,-1) 27(3.45,-0.5) 28(3.45,0) 29(3.45,0.5) 30(3.45,1) 31(3.45,1.5) 32(3.45,2) 33(3.45,2.5)
  oval 0.3x0.85 smd: 12(-2.5,-3.45) 13(-2,-3.45) 14(-1.5,-3.45) 15(-1,-3.45) 16(-0.5,-3.45) 17(0,-3.45) 18(0.5,-3.45) 19(1,-3.45) 20(1.5,-3.45) 21(2,-3.45) 22(2.5,-3.45) 34(2.5,3.45) 35(2,3.45) 36(1.5,3.45) 37(1,3.45) 38(0.5,3.45) 39(0,3.45) 40(-0.5,3.45) 41(-1,3.45) 42(-1.5,3.45) 43(-2,3.45) 44(-2.5,3.45)
  rect 5.3x5.3 smd: 45(0,0)
  silkscreen extent -4.57,-3.5 3.5,3.5, body extent -3.5,-3.5 3.5,3.5, height 0.9
RESC1005X35N [mm] "Chip Resistor, EIA 0402, Metric 1005, Body 1.0x0.5mm, IPC Medium Density"
  rect 0.58x0.62 smd: 1(-0.47,0) 2(0.47,0)
  body extent -0.52,-0.27 0.53,0.28, height 0.35
RESC1005X40N#1 [mm] "Chip Resistor, EIA 0402, Metric 1005, Body 1.0x0.5mm, IPC Medium Density"
  rect 0.58x0.62 smd: 1(-0.47,0) 2(0.47,0)
  body extent -0.52,-0.27 0.53,0.28, height 0.4